# KiCad board 8.Layer.Receiver.Wrapped.kicad_pcb
title: 32 Channel Receiver Board; date: 2023-08-02; company: University of Texas at Arlington
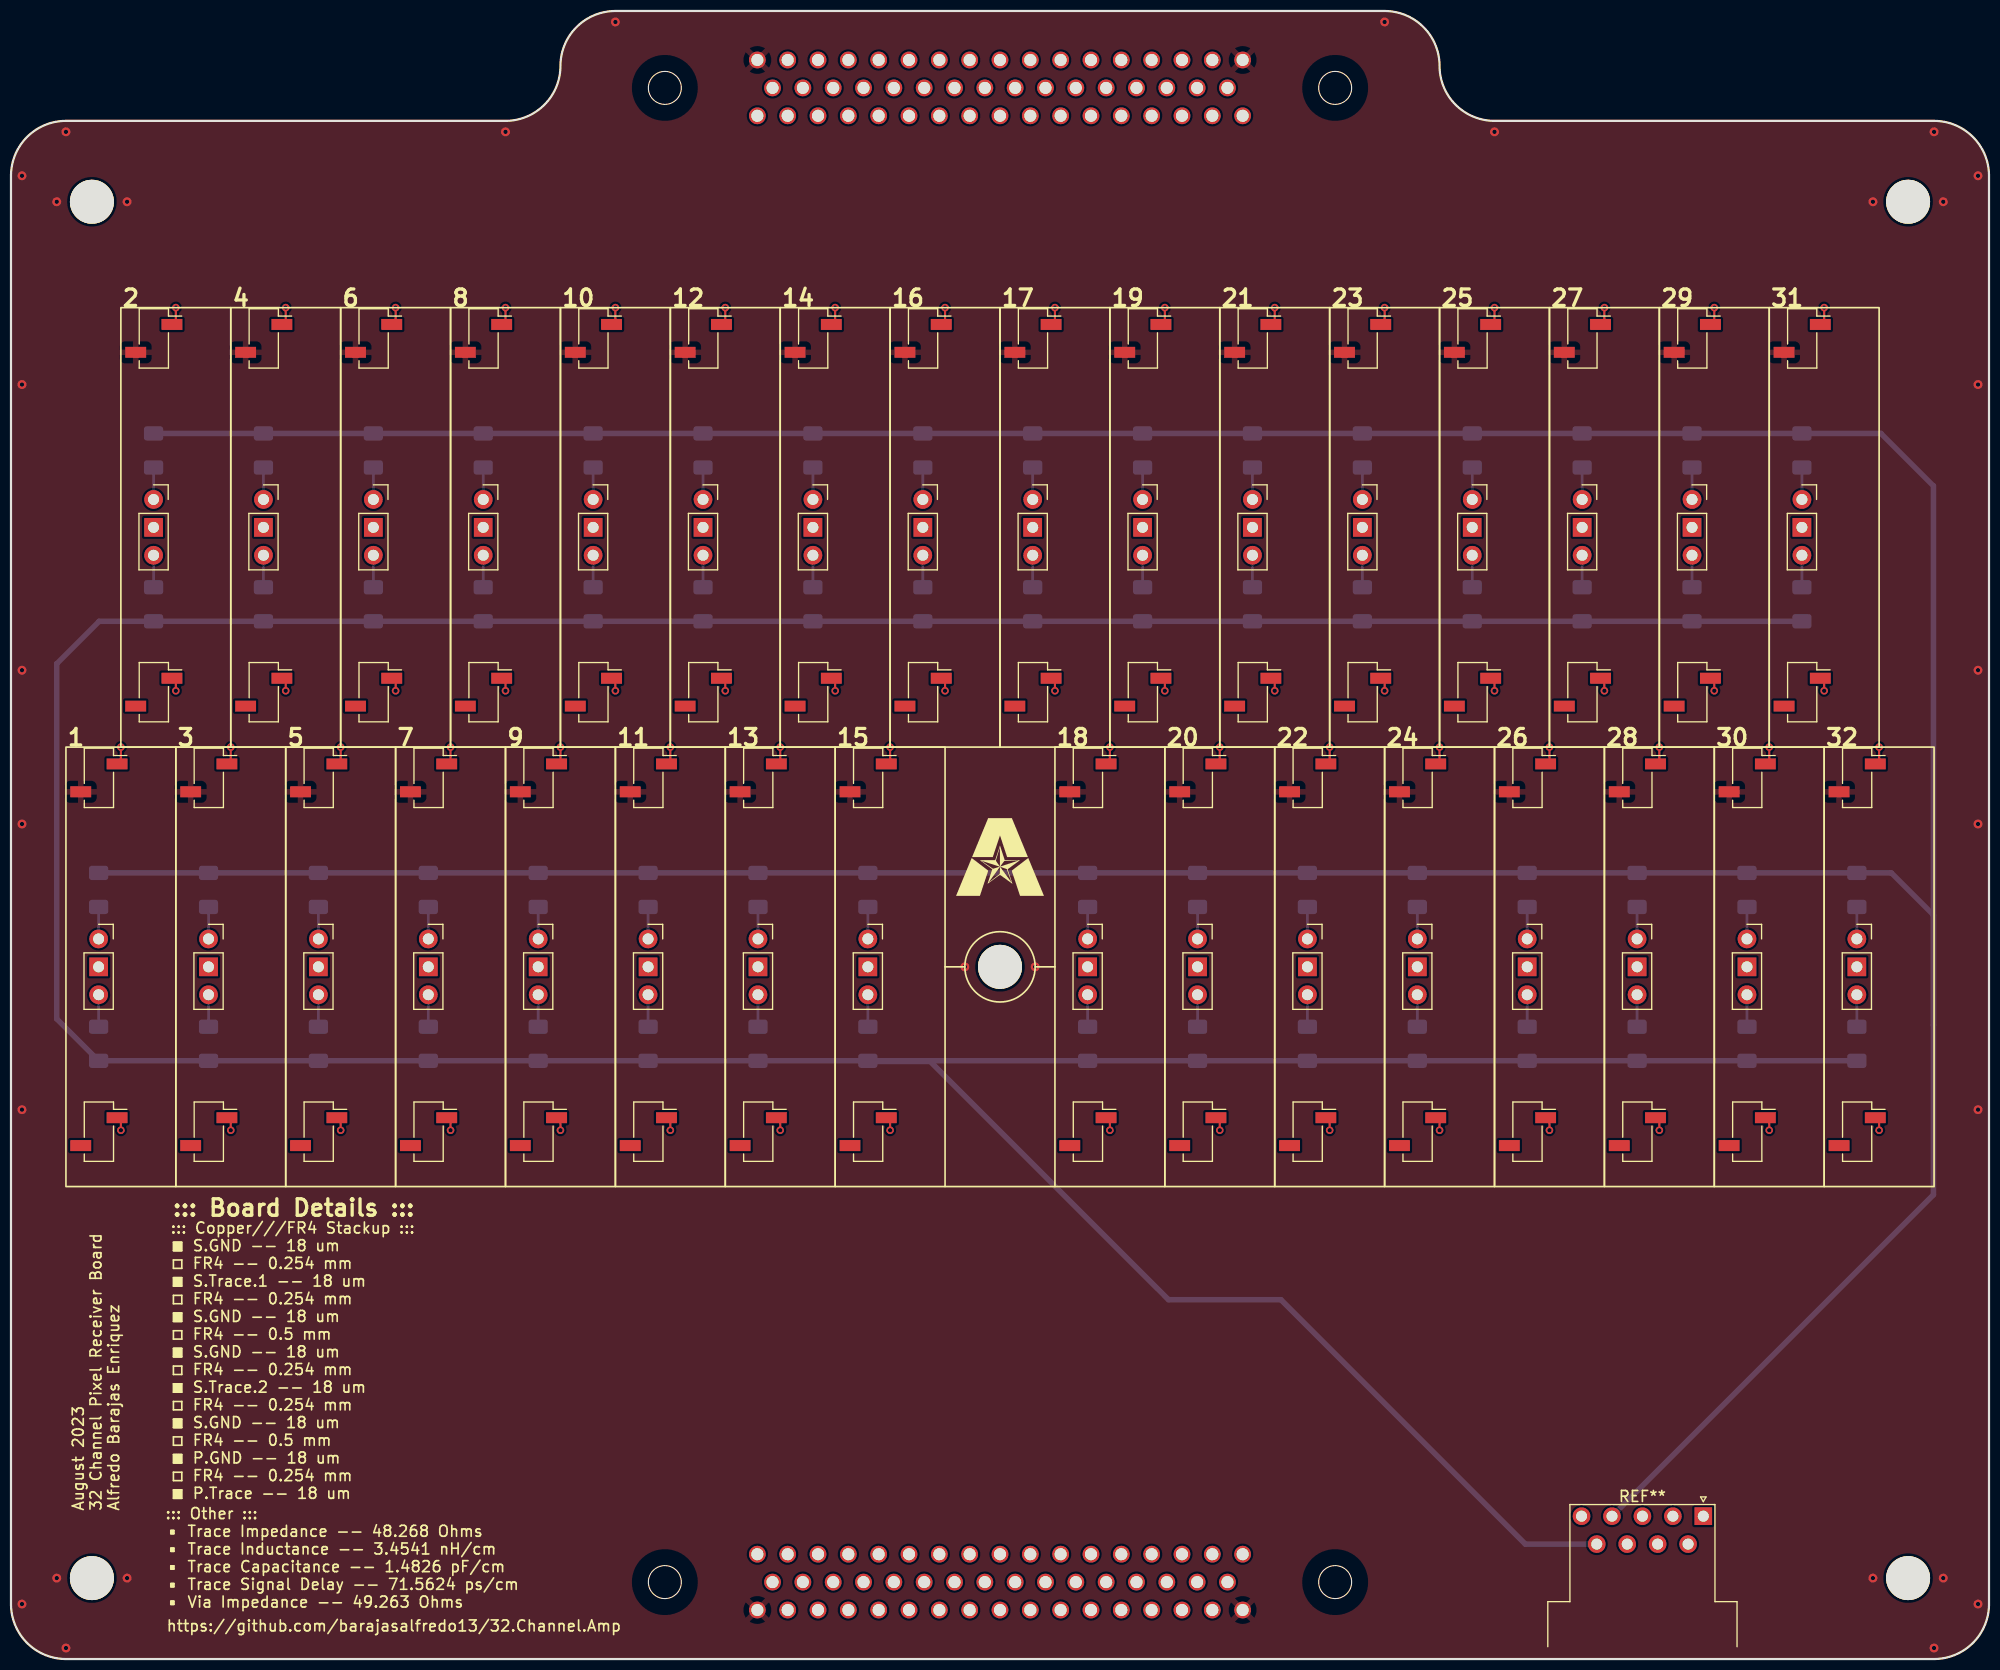
[diagram p0: board, top side]
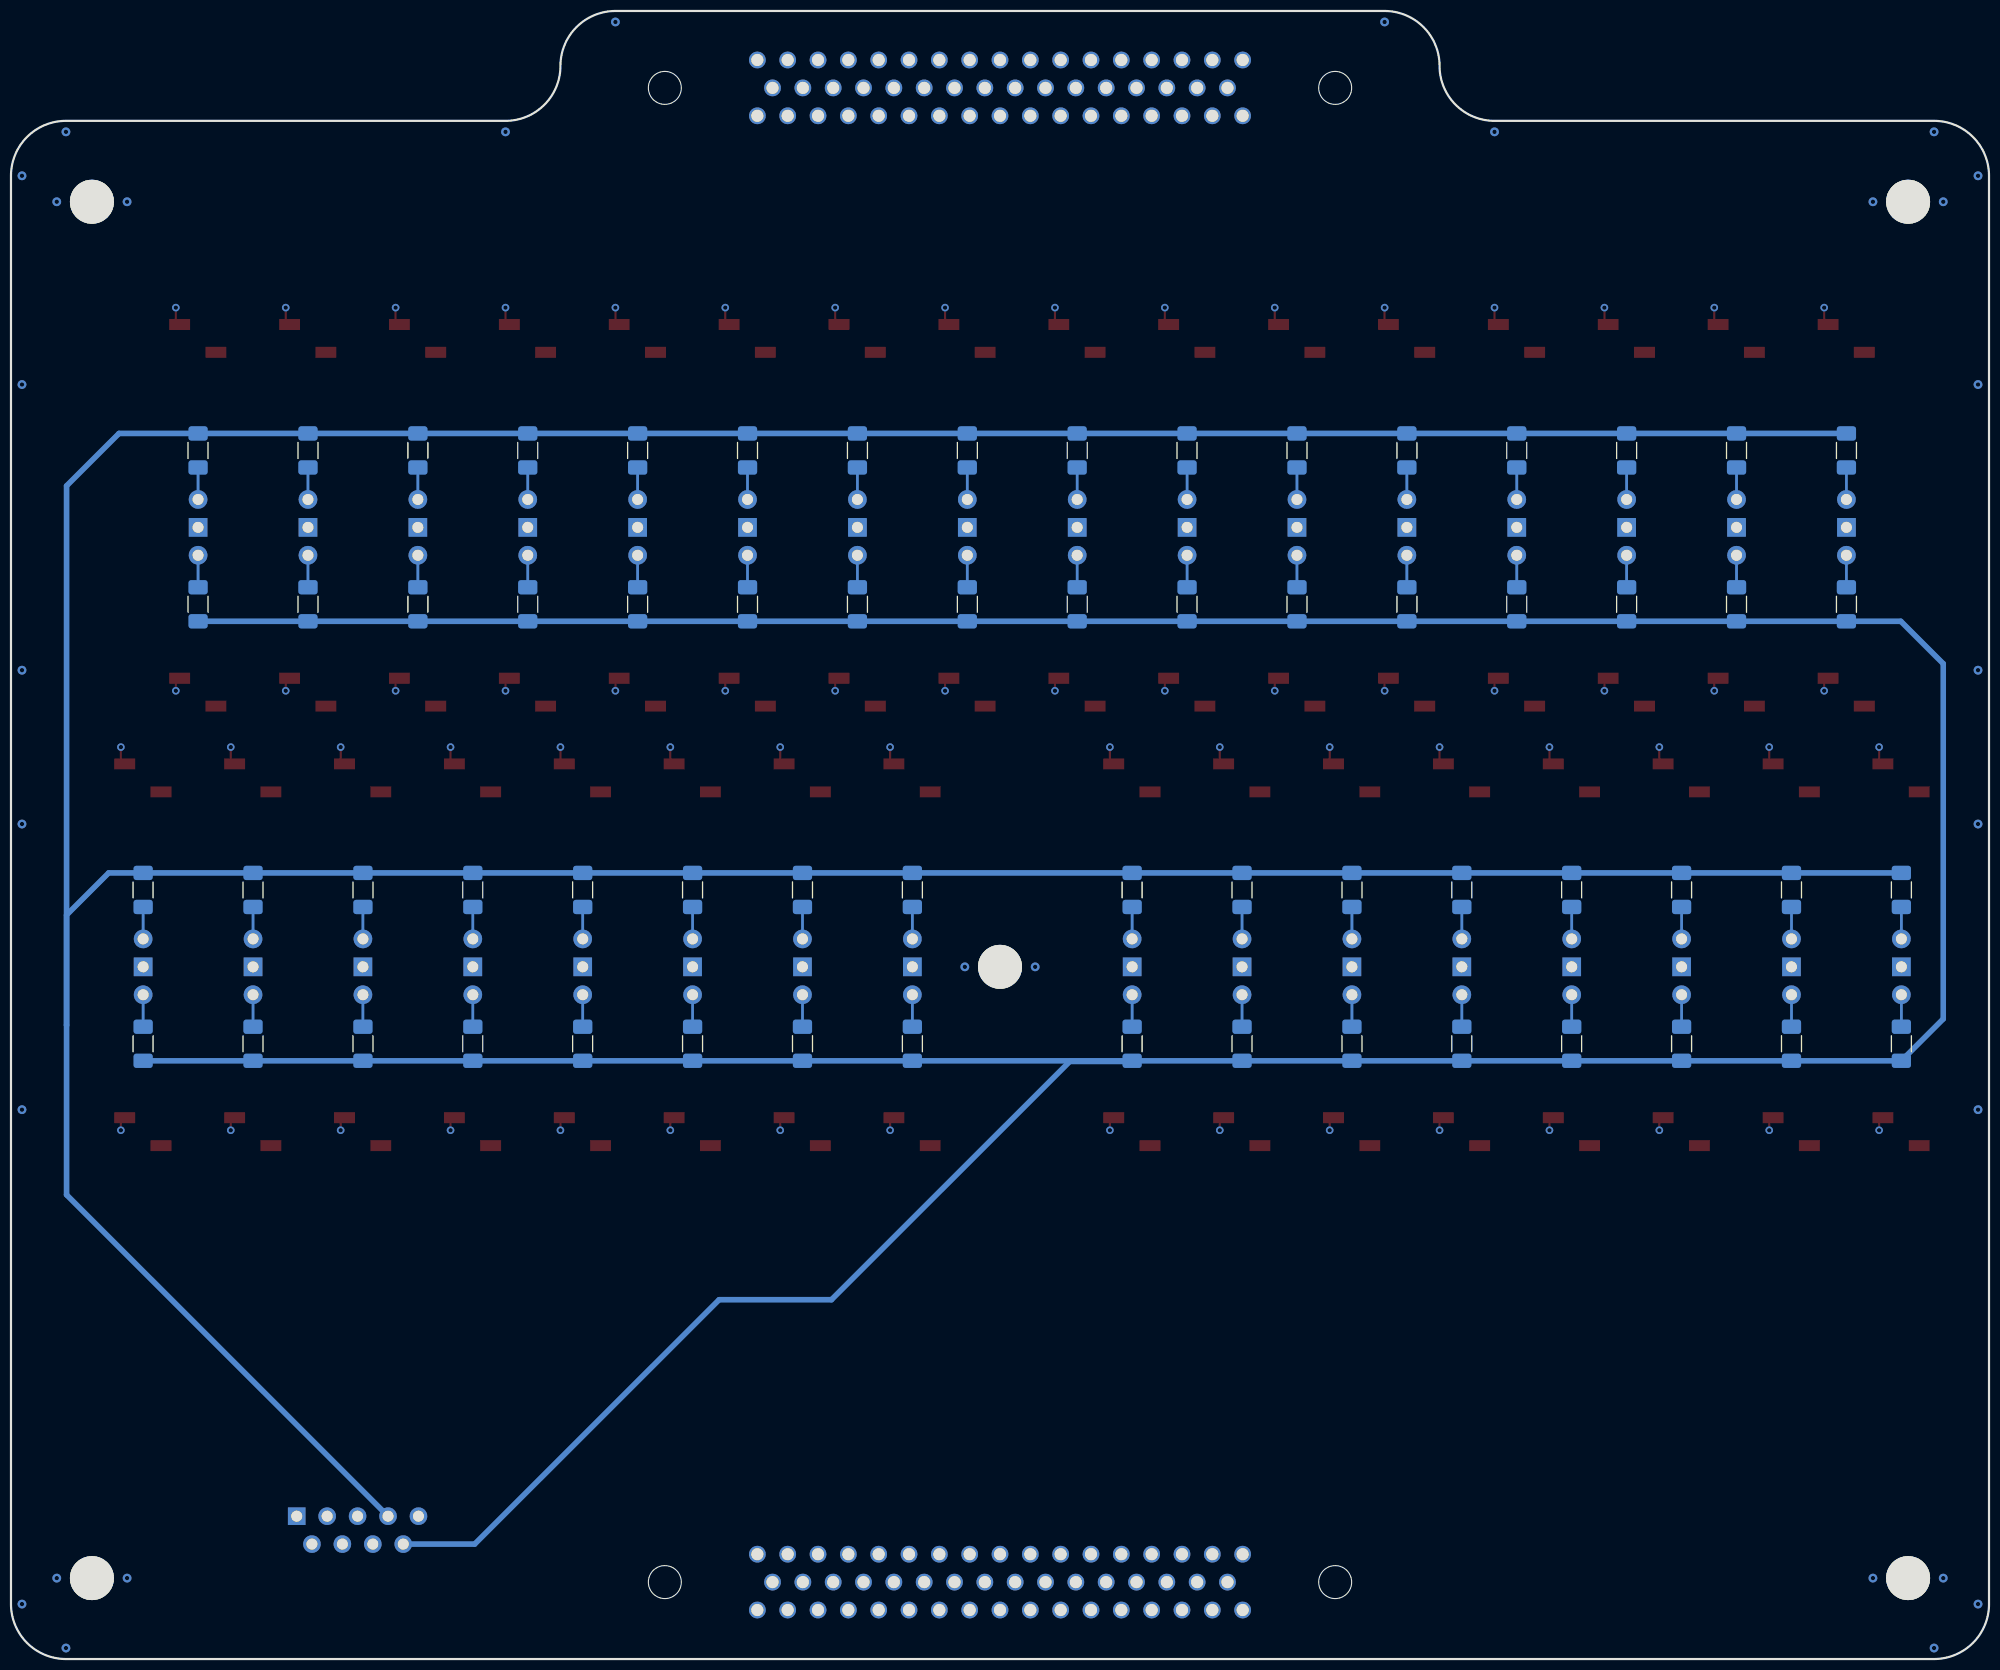
[diagram p1: board, bottom side, seen from below]

Outline 180 x 150 mm; copper layers: S.Ground.Layer.Cu.1, In.Out.Trace.Layer.Cu.2, S.Ground.Layer.Cu.3, S.Ground.Layer.Cu.4, In.Out.Trace.Layer.Cu.5, S.Ground.Layer.Cu.6, P.Ground.Layer.Cu.7, P.Trace.Layer.Cu.8. Coordinates in mm from the lower left corner of the outline.
Outline path: 131.46,141.46 135,140 175,140 178.54,138.54 180,135 180,5 178.54,1.46 175,0 5,0 1.46,1.46 0,5 0,135 1.46,138.54 5,140 45,140 48.54,141.46 51.46,148.54 55,150 125,150 128.54,148.54 closed
Stack: S.Ground.Layer.Cu.1 0.018mm / dielectric 0.254mm FR4 er 4.5 / In.Out.Trace.Layer.Cu.2 0.018mm / dielectric 0.254mm FR4 er 4.5 / S.Ground.Layer.Cu.3 0.018mm / dielectric 0.5mm FR4 er 4.5 / S.Ground.Layer.Cu.4 0.018mm / dielectric 0.254mm FR4 er 4.5 / In.Out.Trace.Layer.Cu.5 0.018mm / dielectric 0.254mm FR4 er 4.5 / S.Ground.Layer.Cu.6 0.018mm / dielectric 0.5mm FR4 er 4.5 / P.Ground.Layer.Cu.7 0.018mm / dielectric 0.254mm FR4 er 4.5 / P.Trace.Layer.Cu.8 0.018mm

## Placement (name value [footprint] x y rotation side)
G***  -  [LOGO]  90 73 0 top
REF**  -  [PinSocket_1x03_P2.54mm_Vertical]  12.98 105.54 0 top
REF**1  -  [PinSocket_1x02_P2.54mm_Vertical_SMD_Pin1Right]  8 48 0 top
REF**2  -  [R_1206_3216Metric_Pad1.30x1.75mm_HandSolder]  7.98 56 270 bottom
REF**3  -  [PinSocket_1x03_P2.54mm_Vertical]  7.98 65.54 0 top
REF**4  -  [R_1206_3216Metric_Pad1.30x1.75mm_HandSolder]  7.98 70 90 bottom
REF**5  -  [PinSocket_1x02_P2.54mm_Vertical_SMD_Pin1Right]  8 80.2 0 top
REF**6  -  [PinSocket_1x02_P2.54mm_Vertical_SMD_Pin1Right]  23 88 0 top
REF**7  -  [R_1206_3216Metric_Pad1.30x1.75mm_HandSolder]  22.98 96 270 bottom
REF**8  -  [PinSocket_1x03_P2.54mm_Vertical]  22.98 105.54 0 top
REF**9  -  [R_1206_3216Metric_Pad1.30x1.75mm_HandSolder]  22.98 110 90 bottom
REF**10  -  [PinSocket_1x02_P2.54mm_Vertical_SMD_Pin1Right]  23 120.2 0 top
REF**11  -  [PinSocket_1x02_P2.54mm_Vertical_SMD_Pin1Right]  18 48 0 top
REF**12  -  [R_1206_3216Metric_Pad1.30x1.75mm_HandSolder]  17.98 56 270 bottom
REF**13  -  [PinSocket_1x03_P2.54mm_Vertical]  17.98 65.54 0 top
REF**14  -  [R_1206_3216Metric_Pad1.30x1.75mm_HandSolder]  17.98 70 90 bottom
REF**15  -  [PinSocket_1x02_P2.54mm_Vertical_SMD_Pin1Right]  18 80.2 0 top
REF**16  -  [PinSocket_1x02_P2.54mm_Vertical_SMD_Pin1Right]  33 88 0 top
REF**17  -  [R_1206_3216Metric_Pad1.30x1.75mm_HandSolder]  32.98 96 270 bottom
REF**18  -  [PinSocket_1x03_P2.54mm_Vertical]  32.98 105.54 0 top
REF**19  -  [R_1206_3216Metric_Pad1.30x1.75mm_HandSolder]  32.98 110 90 bottom
REF**20  -  [PinSocket_1x02_P2.54mm_Vertical_SMD_Pin1Right]  33 120.2 0 top
REF**21  -  [PinSocket_1x02_P2.54mm_Vertical_SMD_Pin1Right]  28 48 0 top
REF**22  -  [R_1206_3216Metric_Pad1.30x1.75mm_HandSolder]  27.98 56 270 bottom
REF**23  -  [PinSocket_1x03_P2.54mm_Vertical]  27.98 65.54 0 top
REF**24  -  [R_1206_3216Metric_Pad1.30x1.75mm_HandSolder]  27.98 70 90 bottom
REF**25  -  [PinSocket_1x02_P2.54mm_Vertical_SMD_Pin1Right]  28 80.2 0 top
REF**26  -  [PinSocket_1x02_P2.54mm_Vertical_SMD_Pin1Right]  43 88 0 top
REF**27  -  [R_1206_3216Metric_Pad1.30x1.75mm_HandSolder]  42.97 96 270 bottom
REF**28  -  [PinSocket_1x03_P2.54mm_Vertical]  42.97 105.54 0 top
REF**29  -  [R_1206_3216Metric_Pad1.30x1.75mm_HandSolder]  42.97 110 90 bottom
REF**30  -  [PinSocket_1x02_P2.54mm_Vertical_SMD_Pin1Right]  43 120.2 0 top
REF**31  -  [PinSocket_1x02_P2.54mm_Vertical_SMD_Pin1Right]  38 48 0 top
REF**32  -  [R_1206_3216Metric_Pad1.30x1.75mm_HandSolder]  37.97 56 270 bottom
REF**33  -  [PinSocket_1x03_P2.54mm_Vertical]  37.97 65.54 0 top
REF**34  -  [R_1206_3216Metric_Pad1.30x1.75mm_HandSolder]  37.97 70 90 bottom
REF**35  -  [PinSocket_1x02_P2.54mm_Vertical_SMD_Pin1Right]  38 80.2 0 top
REF**36  -  [PinSocket_1x02_P2.54mm_Vertical_SMD_Pin1Right]  53 88 0 top
REF**37  -  [R_1206_3216Metric_Pad1.30x1.75mm_HandSolder]  52.97 96 270 bottom
REF**38  -  [PinSocket_1x03_P2.54mm_Vertical]  52.97 105.54 0 top
REF**39  -  [R_1206_3216Metric_Pad1.30x1.75mm_HandSolder]  52.97 110 90 bottom
REF**40  -  [PinSocket_1x02_P2.54mm_Vertical_SMD_Pin1Right]  53 120.2 0 top
REF**41  -  [PinSocket_1x02_P2.54mm_Vertical_SMD_Pin1Right]  48 48 0 top
REF**42  -  [R_1206_3216Metric_Pad1.30x1.75mm_HandSolder]  47.97 56 270 bottom
REF**43  -  [PinSocket_1x03_P2.54mm_Vertical]  47.97 65.54 0 top
REF**44  -  [R_1206_3216Metric_Pad1.30x1.75mm_HandSolder]  47.97 70 90 bottom
REF**45  -  [PinSocket_1x02_P2.54mm_Vertical_SMD_Pin1Right]  48 80.2 0 top
REF**46  -  [PinSocket_1x02_P2.54mm_Vertical_SMD_Pin1Right]  63 88 0 top
REF**47  -  [R_1206_3216Metric_Pad1.30x1.75mm_HandSolder]  62.97 96 270 bottom
REF**48  -  [PinSocket_1x03_P2.54mm_Vertical]  62.97 105.54 0 top
REF**49  -  [R_1206_3216Metric_Pad1.30x1.75mm_HandSolder]  62.97 110 90 bottom
REF**50  -  [PinSocket_1x02_P2.54mm_Vertical_SMD_Pin1Right]  63 120.2 0 top
REF**51  -  [PinSocket_1x02_P2.54mm_Vertical_SMD_Pin1Right]  58 48 0 top
REF**52  -  [R_1206_3216Metric_Pad1.30x1.75mm_HandSolder]  57.97 56 270 bottom
REF**53  -  [PinSocket_1x03_P2.54mm_Vertical]  57.97 65.54 0 top
REF**54  -  [R_1206_3216Metric_Pad1.30x1.75mm_HandSolder]  57.97 70 90 bottom
REF**55  -  [PinSocket_1x02_P2.54mm_Vertical_SMD_Pin1Right]  58 80.2 0 top
REF**56  -  [PinSocket_1x02_P2.54mm_Vertical_SMD_Pin1Right]  73 88 0 top
REF**57  -  [R_1206_3216Metric_Pad1.30x1.75mm_HandSolder]  72.97 96 270 bottom
REF**58  -  [PinSocket_1x03_P2.54mm_Vertical]  72.97 105.54 0 top
REF**59  -  [R_1206_3216Metric_Pad1.30x1.75mm_HandSolder]  72.97 110 90 bottom
REF**60  -  [PinSocket_1x02_P2.54mm_Vertical_SMD_Pin1Right]  73 120.2 0 top
REF**61  -  [PinSocket_1x02_P2.54mm_Vertical_SMD_Pin1Right]  68 48 0 top
REF**62  -  [R_1206_3216Metric_Pad1.30x1.75mm_HandSolder]  67.97 56 270 bottom
REF**63  -  [PinSocket_1x03_P2.54mm_Vertical]  67.97 65.54 0 top
REF**64  -  [R_1206_3216Metric_Pad1.30x1.75mm_HandSolder]  67.97 70 90 bottom
REF**65  -  [PinSocket_1x02_P2.54mm_Vertical_SMD_Pin1Right]  68 80.2 0 top
REF**66  -  [PinSocket_1x02_P2.54mm_Vertical_SMD_Pin1Right]  83 88 0 top
REF**67  -  [R_1206_3216Metric_Pad1.30x1.75mm_HandSolder]  82.97 96 270 bottom
REF**68  -  [PinSocket_1x03_P2.54mm_Vertical]  82.97 105.54 0 top
REF**69  -  [R_1206_3216Metric_Pad1.30x1.75mm_HandSolder]  82.97 110 90 bottom
REF**70  -  [PinSocket_1x02_P2.54mm_Vertical_SMD_Pin1Right]  83 120.2 0 top
REF**71  -  [PinSocket_1x02_P2.54mm_Vertical_SMD_Pin1Right]  78 48 0 top
REF**72  -  [R_1206_3216Metric_Pad1.30x1.75mm_HandSolder]  77.97 56 270 bottom
REF**73  -  [PinSocket_1x03_P2.54mm_Vertical]  77.97 65.54 0 top
REF**74  -  [R_1206_3216Metric_Pad1.30x1.75mm_HandSolder]  77.97 70 90 bottom
REF**75  -  [PinSocket_1x02_P2.54mm_Vertical_SMD_Pin1Right]  78 80.2 0 top
REF**76  -  [PinSocket_1x02_P2.54mm_Vertical_SMD_Pin1Right]  93 88 0 top
REF**77  -  [R_1206_3216Metric_Pad1.30x1.75mm_HandSolder]  92.97 96 270 bottom
REF**78  -  [PinSocket_1x03_P2.54mm_Vertical]  92.97 105.54 0 top
REF**79  -  [R_1206_3216Metric_Pad1.30x1.75mm_HandSolder]  92.97 110 90 bottom
REF**80  -  [PinSocket_1x02_P2.54mm_Vertical_SMD_Pin1Right]  93 120.2 0 top
REF**86  -  [PinSocket_1x02_P2.54mm_Vertical_SMD_Pin1Right]  103 88 0 top
REF**87  -  [R_1206_3216Metric_Pad1.30x1.75mm_HandSolder]  102.97 96 270 bottom
REF**88  -  [PinSocket_1x03_P2.54mm_Vertical]  102.97 105.54 0 top
REF**89  -  [R_1206_3216Metric_Pad1.30x1.75mm_HandSolder]  102.97 110 90 bottom
REF**90  -  [PinSocket_1x02_P2.54mm_Vertical_SMD_Pin1Right]  103 120.2 0 top
REF**91  -  [PinSocket_1x02_P2.54mm_Vertical_SMD_Pin1Right]  98 48 0 top
REF**92  -  [R_1206_3216Metric_Pad1.30x1.75mm_HandSolder]  97.97 56 270 bottom
REF**93  -  [PinSocket_1x03_P2.54mm_Vertical]  97.97 65.54 0 top
REF**94  -  [R_1206_3216Metric_Pad1.30x1.75mm_HandSolder]  97.97 70 90 bottom
REF**95  -  [PinSocket_1x02_P2.54mm_Vertical_SMD_Pin1Right]  98 80.2 0 top
REF**96  -  [PinSocket_1x02_P2.54mm_Vertical_SMD_Pin1Right]  113 88 0 top
REF**97  -  [R_1206_3216Metric_Pad1.30x1.75mm_HandSolder]  112.97 96 270 bottom
REF**98  -  [PinSocket_1x03_P2.54mm_Vertical]  112.97 105.54 0 top
REF**99  -  [R_1206_3216Metric_Pad1.30x1.75mm_HandSolder]  112.97 110 90 bottom
REF**100  -  [PinSocket_1x02_P2.54mm_Vertical_SMD_Pin1Right]  113 120.2 0 top
REF**101  -  [PinSocket_1x02_P2.54mm_Vertical_SMD_Pin1Right]  108 48 0 top
REF**102  -  [R_1206_3216Metric_Pad1.30x1.75mm_HandSolder]  107.97 56 270 bottom
REF**103  -  [PinSocket_1x03_P2.54mm_Vertical]  107.97 65.54 0 top
REF**104  -  [R_1206_3216Metric_Pad1.30x1.75mm_HandSolder]  107.97 70 90 bottom
REF**105  -  [PinSocket_1x02_P2.54mm_Vertical_SMD_Pin1Right]  108 80.2 0 top
REF**106  -  [PinSocket_1x02_P2.54mm_Vertical_SMD_Pin1Right]  123 88 0 top
REF**107  -  [R_1206_3216Metric_Pad1.30x1.75mm_HandSolder]  122.97 96 270 bottom
REF**108  -  [PinSocket_1x03_P2.54mm_Vertical]  122.97 105.54 0 top
REF**109  -  [R_1206_3216Metric_Pad1.30x1.75mm_HandSolder]  122.97 110 90 bottom
REF**110  -  [PinSocket_1x02_P2.54mm_Vertical_SMD_Pin1Right]  123 120.2 0 top
REF**111  -  [PinSocket_1x02_P2.54mm_Vertical_SMD_Pin1Right]  118 48 0 top
REF**112  -  [R_1206_3216Metric_Pad1.30x1.75mm_HandSolder]  117.97 56 270 bottom
REF**113  -  [PinSocket_1x03_P2.54mm_Vertical]  117.97 65.54 0 top
REF**114  -  [R_1206_3216Metric_Pad1.30x1.75mm_HandSolder]  117.97 70 90 bottom
REF**115  -  [PinSocket_1x02_P2.54mm_Vertical_SMD_Pin1Right]  118 80.2 0 top
REF**116  -  [PinSocket_1x02_P2.54mm_Vertical_SMD_Pin1Right]  133 88 0 top
REF**117  -  [R_1206_3216Metric_Pad1.30x1.75mm_HandSolder]  132.97 96 270 bottom
REF**118  -  [PinSocket_1x03_P2.54mm_Vertical]  132.97 105.54 0 top
REF**119  -  [R_1206_3216Metric_Pad1.30x1.75mm_HandSolder]  132.97 110 90 bottom
REF**120  -  [PinSocket_1x02_P2.54mm_Vertical_SMD_Pin1Right]  133 120.2 0 top
REF**121  -  [PinSocket_1x02_P2.54mm_Vertical_SMD_Pin1Right]  128 48 0 top
REF**122  -  [R_1206_3216Metric_Pad1.30x1.75mm_HandSolder]  127.97 56 270 bottom
REF**123  -  [PinSocket_1x03_P2.54mm_Vertical]  127.97 65.54 0 top
REF**124  -  [R_1206_3216Metric_Pad1.30x1.75mm_HandSolder]  127.97 70 90 bottom
REF**125  -  [PinSocket_1x02_P2.54mm_Vertical_SMD_Pin1Right]  128 80.2 0 top
REF**126  -  [PinSocket_1x02_P2.54mm_Vertical_SMD_Pin1Right]  143 88 0 top
REF**127  -  [R_1206_3216Metric_Pad1.30x1.75mm_HandSolder]  142.97 96 270 bottom
REF**128  -  [PinSocket_1x03_P2.54mm_Vertical]  142.97 105.54 0 top
REF**129  -  [R_1206_3216Metric_Pad1.30x1.75mm_HandSolder]  142.97 110 90 bottom
REF**130  -  [PinSocket_1x02_P2.54mm_Vertical_SMD_Pin1Right]  143 120.2 0 top
REF**131  -  [PinSocket_1x02_P2.54mm_Vertical_SMD_Pin1Right]  138 48 0 top
REF**132  -  [R_1206_3216Metric_Pad1.30x1.75mm_HandSolder]  137.97 56 270 bottom
REF**133  -  [PinSocket_1x03_P2.54mm_Vertical]  137.97 65.54 0 top
REF**134  -  [R_1206_3216Metric_Pad1.30x1.75mm_HandSolder]  137.97 70 90 bottom
REF**135  -  [PinSocket_1x02_P2.54mm_Vertical_SMD_Pin1Right]  138 80.2 0 top
REF**136  -  [PinSocket_1x02_P2.54mm_Vertical_SMD_Pin1Right]  153 88 0 top
REF**137  -  [R_1206_3216Metric_Pad1.30x1.75mm_HandSolder]  152.97 96 270 bottom
REF**138  -  [PinSocket_1x03_P2.54mm_Vertical]  152.97 105.54 0 top
REF**139  -  [R_1206_3216Metric_Pad1.30x1.75mm_HandSolder]  152.97 110 90 bottom
REF**140  -  [PinSocket_1x02_P2.54mm_Vertical_SMD_Pin1Right]  153 120.2 0 top
REF**141  -  [PinSocket_1x02_P2.54mm_Vertical_SMD_Pin1Right]  148 48 0 top
REF**142  -  [R_1206_3216Metric_Pad1.30x1.75mm_HandSolder]  147.97 56 270 bottom
REF**143  -  [PinSocket_1x03_P2.54mm_Vertical]  147.97 65.54 0 top
REF**144  -  [R_1206_3216Metric_Pad1.30x1.75mm_HandSolder]  147.97 70 90 bottom
REF**145  -  [PinSocket_1x02_P2.54mm_Vertical_SMD_Pin1Right]  148 80.2 0 top
REF**146  -  [PinSocket_1x02_P2.54mm_Vertical_SMD_Pin1Right]  163 88 0 top
REF**147  -  [R_1206_3216Metric_Pad1.30x1.75mm_HandSolder]  162.97 96 270 bottom
REF**148  -  [PinSocket_1x03_P2.54mm_Vertical]  162.97 105.54 0 top
REF**149  -  [R_1206_3216Metric_Pad1.30x1.75mm_HandSolder]  162.97 110 90 bottom
REF**150  -  [PinSocket_1x02_P2.54mm_Vertical_SMD_Pin1Right]  163 120.2 0 top
REF**151  -  [PinSocket_1x02_P2.54mm_Vertical_SMD_Pin1Right]  158 48 0 top
REF**152  -  [R_1206_3216Metric_Pad1.30x1.75mm_HandSolder]  157.97 56 270 bottom
REF**153  -  [PinSocket_1x03_P2.54mm_Vertical]  157.97 65.54 0 top
REF**154  -  [R_1206_3216Metric_Pad1.30x1.75mm_HandSolder]  157.97 70 90 bottom
REF**155  -  [PinSocket_1x02_P2.54mm_Vertical_SMD_Pin1Right]  158 80.2 0 top
REF**161  -  [PinSocket_1x02_P2.54mm_Vertical_SMD_Pin1Right]  168 48 0 top
REF**162  -  [R_1206_3216Metric_Pad1.30x1.75mm_HandSolder]  167.97 56 270 bottom
REF**163  -  [PinSocket_1x03_P2.54mm_Vertical]  167.97 65.54 0 top
REF**164  -  [R_1206_3216Metric_Pad1.30x1.75mm_HandSolder]  167.97 70 90 bottom
REF**165  -  [PinSocket_1x02_P2.54mm_Vertical_SMD_Pin1Right]  168 80.2 0 top
REF**#2  -  [MountingHole_4mm]  7.36 132.64 0 top
REF**#3  -  [MountingHole_4mm]  90 63 0 top
REF**#4  -  [CONN D-SUB PLUG 50POS RA SLDR]  90 143 0 top
REF**#5  -  [PinSocket_1x02_P2.54mm_Vertical_SMD_Pin1Right]  13 120.2 0 top
REF**#6  -  [DSUB-9_Female_Horizontal_P2.77x2.54mm_EdgePinOffset9.40mm]  154 13 0 top
REF**#7  -  [PinSocket_1x02_P2.54mm_Vertical_SMD_Pin1Right]  13 88 0 top
REF**#8  -  [CONN D-SUB PLUG 50POS RA SLDR]  90 7 180 top
REF**#9  -  [MountingHole_4mm]  172.64 7.36 180 bottom
REF**#10  -  [MountingHole_4mm]  7.36 7.36 0 bottom
REF**#11  -  [R_1206_3216Metric_Pad1.30x1.75mm_HandSolder]  12.98 110 90 bottom
REF**#12  -  [MountingHole_4mm]  172.64 132.64 180 bottom
REF**#13  -  [R_1206_3216Metric_Pad1.30x1.75mm_HandSolder]  12.98 96 270 bottom

## Footprints (pads in the part's own frame, mm; a bottom-side part is the same pattern mirrored in y, then rotated)
CONN D-SUB PLUG 50POS RA SLDR
  round 1.524 hole 1.1: 1(-22.08,2.54) 2(-19.32,2.54) 3(-16.56,2.54) 4(-13.8,2.54) 5(-11.04,2.54) 6(-8.28,2.54) 7(-5.52,2.54) 8(-2.76,2.54) 9(0,2.54) 10(2.76,2.54) 11(5.52,2.54) 12(8.28,2.54) 13(11.04,2.54) 14(13.8,2.54) 15(16.56,2.54) 16(19.32,2.54) 17(22.08,2.54) 18(-20.7,0) 19(-17.94,0) 20(-15.18,0) 21(-12.42,0) 22(-9.66,0) 23(-6.9,0) 24(-4.14,0) 25(-1.38,0) 26(1.38,0) 27(4.14,0) 28(6.9,0) 29(9.66,0) 30(12.42,0) 31(15.18,0) 32(17.94,0) 33(20.7,0) 34(-22.08,-2.54) 35(-19.32,-2.54) 36(-16.56,-2.54) 37(-13.8,-2.54) 38(-11.04,-2.54) 39(-8.28,-2.54) 40(-5.52,-2.54) 41(-2.76,-2.54) 42(0,-2.54) 43(2.76,-2.54) 44(5.52,-2.54) 45(8.28,-2.54) 46(11.04,-2.54) 47(13.8,-2.54) 48(16.56,-2.54) 49(19.32,-2.54) 50(22.08,-2.54)
DSUB-9_Female_Horizontal_P2.77x2.54mm_EdgePinOffset9.40mm
  rect 1.6x1.6 hole 1: 1(0,0)
  round 1.6 hole 1: 2(-2.77,0) 3(-5.54,0) 4(-8.31,0) 5(-11.08,0) 6(-1.385,-2.54) 7(-4.155,-2.54) 8(-6.925,-2.54) 9(-9.695,-2.54)
MountingHole_4mm
  round 4 hole 4 unplated: (0,0)
PinSocket_1x02_P2.54mm_Vertical_SMD_Pin1Right
  rect 1.9x1 smd: 1(1.65,1.27) 2(-1.65,-1.27)
PinSocket_1x03_P2.54mm_Vertical
  round 1.7 hole 1: 1(0,0)
  rect 1.7x1.7 hole 1: 2(0,-2.54)
  oval 1.7x1.7 hole 1: 3(0,-5.08)
R_1206_3216Metric_Pad1.30x1.75mm_HandSolder
  rrect 1.3x1.75 smd: 1(-1.55,0) 2(1.55,0)

## Nets
+12: REF**4.2 REF**9.2 REF**14.2 REF**19.2 REF**24.2 REF**29.2 REF**34.2 REF**39.2 REF**44.2 REF**49.2 REF**54.2 REF**59.2 REF**64.2 REF**69.2 REF**74.2 REF**79.2 REF**89.2 REF**94.2 REF**99.2 REF**104.2 REF**109.2 REF**114.2 REF**119.2 REF**124.2 REF**129.2 REF**134.2 REF**139.2 REF**144.2 REF**149.2 REF**154.2 REF**164.2 REF**#6.4 REF**#11.2
-12: REF**2.2 REF**7.2 REF**12.2 REF**17.2 REF**22.2 REF**27.2 REF**32.2 REF**37.2 REF**42.2 REF**47.2 REF**52.2 REF**57.2 REF**62.2 REF**67.2 REF**72.2 REF**77.2 REF**87.2 REF**92.2 REF**97.2 REF**102.2 REF**107.2 REF**112.2 REF**117.2 REF**122.2 REF**127.2 REF**132.2 REF**137.2 REF**142.2 REF**147.2 REF**152.2 REF**162.2 REF**#6.9 REF**#13.2
P.Neg: REF**.3 REF**2.1 REF**3.3 REF**7.1 REF**8.3 REF**12.1 REF**13.3 REF**17.1 REF**18.3 REF**22.1 REF**23.3 REF**27.1 REF**28.3 REF**32.1 REF**33.3 REF**37.1 REF**38.3 REF**42.1 REF**43.3 REF**47.1 REF**48.3 REF**52.1 REF**53.3 REF**57.1 REF**58.3 REF**62.1 REF**63.3 REF**67.1 REF**68.3 REF**72.1 REF**73.3 REF**77.1 REF**78.3 REF**87.1 REF**88.3 REF**92.1 REF**93.3 REF**97.1 REF**98.3 REF**102.1 REF**103.3 REF**107.1 REF**108.3 REF**112.1 REF**113.3 REF**117.1 REF**118.3 REF**122.1 REF**123.3 REF**127.1 REF**128.3 REF**132.1 REF**133.3 REF**137.1 REF**138.3 REF**142.1 REF**143.3 REF**147.1 REF**148.3 REF**152.1 REF**153.3 REF**162.1 REF**163.3 REF**#13.1
P.Pos: REF**.1 REF**3.1 REF**4.1 REF**8.1 REF**9.1 REF**13.1 REF**14.1 REF**18.1 REF**19.1 REF**23.1 REF**24.1 REF**28.1 REF**29.1 REF**33.1 REF**34.1 REF**38.1 REF**39.1 REF**43.1 REF**44.1 REF**48.1 REF**49.1 REF**53.1 REF**54.1 REF**58.1 REF**59.1 REF**63.1 REF**64.1 REF**68.1 REF**69.1 REF**73.1 REF**74.1 REF**78.1 REF**79.1 REF**88.1 REF**89.1 REF**93.1 REF**94.1 REF**98.1 REF**99.1 REF**103.1 REF**104.1 REF**108.1 REF**109.1 REF**113.1 REF**114.1 REF**118.1 REF**119.1 REF**123.1 REF**124.1 REF**128.1 REF**129.1 REF**133.1 REF**134.1 REF**138.1 REF**139.1 REF**143.1 REF**144.1 REF**148.1 REF**149.1 REF**153.1 REF**154.1 REF**163.1 REF**164.1 REF**#11.1
Power.Ground: REF**.2 REF**3.2 REF**8.2 REF**13.2 REF**18.2 REF**23.2 REF**28.2 REF**33.2 REF**38.2 REF**43.2 REF**48.2 REF**53.2 REF**58.2 REF**63.2 REF**68.2 REF**73.2 REF**78.2 REF**88.2 REF**93.2 REF**98.2 REF**103.2 REF**108.2 REF**113.2 REF**118.2 REF**123.2 REF**128.2 REF**133.2 REF**138.2 REF**143.2 REF**148.2 REF**153.2 REF**163.2 REF**#6.1
Signal.Ground: REF**5.2 REF**10.2 REF**15.2 REF**20.2 REF**25.2 REF**30.2 REF**35.2 REF**40.2 REF**45.2 REF**50.2 REF**55.2 REF**60.2 REF**65.2 REF**70.2 REF**75.2 REF**80.2 REF**90.2 REF**95.2 REF**100.2 REF**105.2 REF**110.2 REF**115.2 REF**120.2 REF**125.2 REF**130.2 REF**135.2 REF**140.2 REF**145.2 REF**150.2 REF**155.2 REF**165.2 REF**#4.1 REF**#4.17 REF**#5.2 REF**#8.1 REF**#8.17

Pads without a net: REF**1 1 2; REF**5 1; REF**6 1 2; REF**10 1; REF**11 1 2; REF**15 1; REF**16 1 2; REF**20 1; REF**21 1 2; REF**25 1; REF**26 1 2; REF**30 1; REF**31 1 2; REF**35 1; REF**36 1 2; REF**40 1; REF**41 1 2; REF**45 1; REF**46 1 2; REF**50 1; REF**51 1 2; REF**55 1; REF**56 1 2; REF**60 1; REF**61 1 2; REF**65 1; REF**66 1 2; REF**70 1; REF**71 1 2; REF**75 1; REF**76 1 2; REF**80 1; REF**86 1 2; REF**90 1; REF**91 1 2; REF**95 1; REF**96 1 2; REF**100 1; REF**101 1 2; REF**105 1; REF**106 1 2; REF**110 1; REF**111 1 2; REF**115 1; REF**116 1 2; REF**120 1; REF**121 1 2; REF**125 1; REF**126 1 2; REF**130 1; REF**131 1 2; REF**135 1; REF**136 1 2; REF**140 1; REF**141 1 2; REF**145 1; REF**146 1 2; REF**150 1; REF**151 1 2; REF**155 1; REF**161 1 2; REF**165 1; REF**#4 2 3 4 5 6 7 8 9 10 11 12 13 14 15 16 18 19 20 21 22 23 24 25 26 27 28 29 30 31 32 33 34 35 36 37 38 39 40 41 42 43 44 45 46 47 48 49 50; REF**#5 1; REF**#6 2 3 5 6 7 8; REF**#7 1 2; REF**#8 2 3 4 5 6 7 8 9 10 11 12 13 14 15 16 18 19 20 21 22 23 24 25 26 27 28 29 30 31 32 33 34 35 36 37 38 39 40 41 42 43 44 45 46 47 48 49 50

## Via types
v1: diameter 0.69, hole 0.4, S.Ground.Layer.Cu.1 to P.Trace.Layer.Cu.8, 64 vias
v2: diameter 0.8, hole 0.4, S.Ground.Layer.Cu.1 to P.Trace.Layer.Cu.8, 30 vias

## Routing (per net, layer and track width the routed paths; a pad name or vN(x,y) marks a point on that pad's centre or on a via; arc(x,y) is an arc through that point)
(no net): length 2388.1
  S.Ground.Layer.Cu.1 w0.19: v1(95,123) 95,121.82 ; v1(60,48.13) 60,48.92 ; v1(140,83) 140,81.82 ; v1(35,88.13) 35,88.92 ; v1(65,88.13) 65,88.92 ; v1(85,88.13) 85,88.92 ; v1(165,88.13) 165,88.92 ; v1(170,48.13) 170,48.92 ; v1(115,123) 115,121.82 ; v1(75,123) 75,121.82 ; v1(115,88.13) 115,88.92 ; v1(145,123) 145,121.82 ; v1(140,48.13) 140,48.92 ; v1(25,88.13) 25,88.92 ; v1(100,83) 100,81.82 ; v1(45,88.13) 45,88.92 ; v1(130,83) 130,81.82 ; v1(35,123) 35,121.82 ; v1(15,123) 15,121.82 ; v1(100,48.13) 100,48.92 ; v1(150,48.13) 150,48.92 ; v1(120,83) 120,81.82 ; v1(65,123) 65,121.82 ; v1(105,88.13) 105,88.92 ; v1(70,83) 70,81.82 ; v1(170,83) 170,81.82 ; v1(40,83) 40,81.82 ; v1(85,123) 85,121.82 ; v1(45,123) 45,121.82 ; v1(25,123) 25,121.82 ; v1(15,88.13) 15,88.92 REF**#7.1 ; v1(50,48.13) 50,48.92 ; v1(160,48.13) 160,48.92 ; v1(125,123) 125,121.82 ; v1(130,48.13) 130,48.92 ; v1(110,83) 110,81.82 ; v1(30,83) 30,81.82 ; v1(160,83) 160,81.82 ; v1(105,123) 105,121.82 ; v1(125,88.13) 125,88.92 ; v1(95,88.13) 95,88.92 ; v1(110,48.13) 110,48.92 ; v1(145,88.13) 145,88.92 ; v1(120,48.13) 120,48.92 ; v1(165,123) 165,121.82 ; v1(20,48.13) 20,48.92 ; v1(10,48.13) 10,48.92 ; v1(40,48.13) 40,48.92 ; v1(135,88.13) 135,88.92 ; v1(20,83) 20,81.82 ; v1(10,83) 10,81.82 ; v1(155,88.13) 155,88.92 ; v1(80,48.13) 80,48.92 ; v1(50,83) 50,81.82 ; v1(155,123) 155,121.82 ; v1(75,88.13) 75,88.92 ; v1(70,48.13) 70,48.92 ; v1(55,123) 55,121.82 ; v1(135,123) 135,121.82 ; v1(30,48.13) 30,48.92 ; v1(80,83) 80,81.82 ; v1(60,83) 60,81.82 ; v1(55,88.13) 55,88.92 ; v1(150,83) 150,81.82
  S.Ground.Layer.Cu.1 w0.25: 15,121.82 REF**#5.1
  In.Out.Trace.Layer.Cu.2 w0.19: REF**#8.40 95.52,18.51 110,32.99 v1(110,48.13) ; REF**#8.39 98.28,17.25 120,38.97 v1(120,48.13) ; REF**#8.45 81.72,17.23 60,38.95 v1(60,48.13) ; REF**#8.46 78.96,15.96 59.17,35.75 55.98,35.75 50,41.73 v1(50,48.13) ; v1(20,48.13) 20,41.7 35.33,26.37 56.56,26.37 70.68,12.25 REF**#8.49 ; REF**#8.34 112.08,11.08 124.36,23.36 151.57,23.36 170,41.79 v1(170,48.13) ; v1(10,48.13) 10.01,48.12 10.01,41.75 28.53,23.22 55.7,23.22 67.92,11 REF**#8.50 ; REF**#8.36 106.56,13.55 122.64,29.64 137.88,29.64 150,41.75 v1(150,48.13) ; REF**#8.41 92.76,19.8 100,27.04 v1(100,48.13) ; REF**#8.48 73.44,13.48 57.41,29.51 42.15,29.51 30,41.67 v1(30,48.13) ; REF**#8.38 101.04,15.94 120.9,35.8 124,35.8 130,41.8 v1(130,48.13) ; REF**#8.35 109.32,12.3 123.46,26.45 144.69,26.45 160,41.75 v1(160,48.13) ; v1(80,48.13) 80,26.9 87.24,19.66 REF**#8.43 ; REF**#8.44 84.48,18.46 70,32.94 v1(70,48.13) ; REF**#8.47 76.2,14.74 58.31,32.63 48.96,32.63 40,41.59 v1(40,48.13) ; REF**#8.37 103.8,14.9 121.59,32.69 130.95,32.69 140,41.75 v1(140,48.13)
  In.Out.Trace.Layer.Cu.5 w0.19: 45,89.22 45.01,89.22 45.01,41.56 52.42,34.14 58.75,34.14 77.58,15.31 REF**#8.30 ; REF**#8.28 83.1,17.86 65,35.96 65,89.22 ; v1(165,88.13) 165.01,88.12 165.01,41.68 148.12,24.79 123.92,24.79 110.7,11.58 REF**#8.18 ; v1(155,88.13) 155,41.74 141.29,28.03 123.16,28.03 107.94,12.82 REF**#8.19 ; REF**#8.32 72.06,12.87 56.99,27.95 38.77,27.95 25,41.72 v1(25,88.13) ; REF**#8.24 94.14,19.12 105.01,29.98 105.01,88.12 v1(105,88.13) ; 35,89.22 35,41.7 45.69,31.01 57.9,31.01 74.82,14.09 REF**#8.31 ; 115,89.22 115.01,89.22 ; v1(115,88.13) 115,36.06 96.9,17.96 REF**#8.23 ; REF**#8.27 85.86,19.06 75,29.92 75,89.22 ; 95,89.22 95.01,89.22 ; v1(145,88.13) 145.01,88.12 145.01,41.85 134.37,31.21 122.35,31.21 105.18,14.04 REF**#8.20 ; REF**#8.22 99.66,16.39 125,41.73 v1(125,88.13) ; REF**#8.29 80.34,16.56 55,41.9 55,89.22 ; REF**#8.33 69.3,11.6 56.03,24.88 31.81,24.88 15,41.69 v1(15,88.13) ; v1(135,88.13) 135,41.68 127.51,34.19 121.36,34.19 102.42,15.25 REF**#8.21 ; 105,89.22 105.01,89.22
+12: length 448.4
  P.Trace.Layer.Cu.8 w0.5: REF**#6.4 174.94,42.25 174.94,57.68 ; 174.94,57.68 174.94,106.77 170.17,111.55 REF**149.2 REF**#11.2 ; 174.94,57.68 174.94,67.72 171.11,71.55 REF**164.2 REF**4.2
-12: length 442.7
  P.Trace.Layer.Cu.8 w0.2: REF**72.2 77.97,54.39
  P.Trace.Layer.Cu.8 w0.5: REF**147.2 REF**#13.2 8.02,94.45 4.16,90.59 4.16,58.26 REF**2.2 REF**162.2 ; 77.97,54.39 83.65,54.39 105.34,32.7 115.56,32.7 137.8,10.46 REF**#6.9
P.Neg: length 93.2
  P.Trace.Layer.Cu.8 w0.25: REF**92.1 REF**93.3 ; REF**137.1 REF**138.3 ; REF**97.1 REF**98.3 ; REF**112.1 REF**113.3 ; REF**102.1 REF**103.3 ; REF**2.1 REF**3.3 ; REF**#13.1 REF**.3 ; REF**7.1 REF**8.3 ; REF**67.1 REF**68.3 ; REF**87.1 REF**88.3 ; REF**62.1 REF**63.3 ; REF**17.1 REF**18.3 ; REF**142.1 REF**143.3 ; REF**77.1 REF**78.3 ; REF**12.1 REF**13.3 ; REF**42.1 REF**43.3 ; REF**147.1 REF**148.3 ; REF**47.1 REF**48.3 ; REF**32.1 REF**33.3 ; REF**37.1 REF**38.3 ; REF**52.1 REF**53.3 ; REF**27.1 REF**28.3 ; REF**132.1 REF**133.3 ; REF**122.1 REF**123.3 ; REF**107.1 REF**108.3 ; REF**22.1 REF**23.3 ; REF**127.1 REF**128.3 ; REF**72.1 REF**73.3 ; REF**152.1 REF**153.3 ; REF**162.1 REF**163.3 ; REF**117.1 REF**118.3 ; REF**57.1 REF**58.3
P.Pos: length 93.1
  P.Trace.Layer.Cu.8 w0.25: REF**24.1 REF**23.1 ; REF**4.1 REF**3.1 ; REF**69.1 REF**68.1 ; REF**19.1 REF**18.1 ; REF**44.1 REF**43.1 ; REF**54.1 REF**53.1 ; REF**154.1 REF**153.1 ; REF**134.1 REF**133.1 ; REF**49.1 REF**48.1 ; REF**39.1 REF**38.1 ; REF**114.1 REF**113.1 ; REF**79.1 REF**78.1 ; REF**94.1 REF**93.1 ; REF**144.1 REF**143.1 ; REF**149.1 REF**148.1 ; REF**119.1 REF**118.1 ; REF**29.1 REF**28.1 ; REF**109.1 REF**108.1 ; REF**164.1 REF**163.1 ; REF**#11.1 REF**.1 ; REF**14.1 REF**13.1 ; REF**34.1 REF**33.1 ; REF**99.1 REF**98.1 ; REF**74.1 REF**73.1 ; REF**64.1 REF**63.1 ; REF**9.1 REF**8.1 ; REF**104.1 REF**103.1 ; REF**89.1 REF**88.1 ; REF**139.1 REF**138.1 ; REF**59.1 REF**58.1 ; REF**129.1 REF**128.1 ; REF**124.1 REF**123.1
Signal.Ground: length 3.9
  In.Out.Trace.Layer.Cu.2 w0.2: v2(175.84,132.64) v2(179,135)
  vias: v2(1,135) v2(1,116) v2(1,90) v2(1,76) v2(1,50) v2(1,5) v2(4.16,132.64) v2(4.16,7.36) v2(5,139) v2(5,1) v2(10.56,132.64) v2(10.56,7.36) v2(45,139) v2(55,149) v2(86.8,63) v2(93.2,63) v2(125,149) v2(135,139) v2(169.44,132.64) v2(169.44,7.36) v2(175,139) v2(175,1) v2(175.84,7.36) v2(179,116) v2(179,90) v2(179,76) v2(179,50) v2(179,5)

## Copper pours and planes (outline as drawn; the poured copper is in the pictures)
Power.Ground on P.Ground.Layer.Cu.7: 130,144.78 130.04,144.35 130.12,143.92 130.23,143.5 130.38,143.09 130.56,142.69 130.78,142.31 131.03,141.95 131.31,141.62 131.62,141.31 131.95,141.03 132.31,140.78 132.69,140.56 133.09,140.38 133.5,140.23 133.92,140.12 134.35,140.04 134.78,140 135,140 175,140 175.22,140 175.65,139.96 176.08,139.88 176.5,139.77 176.91,139.62 177.31,139.44 177.69,139.22 178.05,138.97 178.38,138.69 178.69,138.38 178.97,138.05 179.22,137.69 179.44,137.31 179.62,136.91 179.77,136.5 179.88,136.08 179.96,135.65 180,135.22 180,135 180,5 180,4.78 179.96,4.35 179.88,3.92 179.77,3.5 179.62,3.09 179.44,2.69 179.22,2.31 178.97,1.95 178.69,1.62 178.38,1.31 178.05,1.03 177.69,0.78 177.31,0.56 176.91,0.38 176.5,0.23 176.08,0.12 175.65,0.04 175.22,0 175,0 5,0 4.78,0 4.35,0.04 3.92,0.12 3.5,0.23 3.09,0.38 2.69,0.56 2.31,0.78 1.95,1.03 1.62,1.31 1.31,1.62 1.03,1.95 0.78,2.31 0.56,2.69 0.38,3.09 0.23,3.5 0.12,3.92 0.04,4.35 0,4.78 0,5 0,135 0,135.22 0.04,135.65 0.12,136.08 0.23,136.5 0.38,136.91 0.56,137.31 0.78,137.69 1.03,138.05 1.31,138.38 1.62,138.69 1.95,138.97 2.31,139.22 2.69,139.44 3.09,139.62 3.5,139.77 3.92,139.88 4.35,139.96 4.78,140 5,140 45,140 45.22,140 45.65,140.04 46.08,140.12 46.5,140.23 46.91,140.38 47.31,140.56 47.69,140.78 48.05,141.03 48.38,141.31 48.69,141.62 48.97,141.95 49.22,142.31 49.44,142.69 49.62,143.09 49.77,143.5 49.88,143.92 49.96,144.35 50,144.78 50,145.22 50.04,145.65 50.12,146.08 50.23,146.5 50.38,146.91 50.56,147.31 50.78,147.69 51.03,148.05 51.31,148.38 51.62,148.69 51.95,148.97 52.31,149.22 52.69,149.44 53.09,149.62 53.5,149.77 53.92,149.88 54.35,149.96 54.78,150 55,150 125,150 125.22,150 125.65,149.96 126.08,149.88 126.5,149.77 126.91,149.62 127.31,149.44 127.69,149.22 128.05,148.97 128.38,148.69 128.69,148.38 128.97,148.05 129.22,147.69 129.44,147.31 129.62,146.91 129.77,146.5 129.88,146.08 129.96,145.65 130,145.22
Signal.Ground on S.Ground.Layer.Cu.1, S.Ground.Layer.Cu.3, S.Ground.Layer.Cu.4, S.Ground.Layer.Cu.6: 130,144.78 130.04,144.35 130.12,143.92 130.23,143.5 130.38,143.09 130.56,142.69 130.78,142.31 131.03,141.95 131.31,141.62 131.62,141.31 131.95,141.03 132.31,140.78 132.69,140.56 133.09,140.38 133.5,140.23 133.92,140.12 134.35,140.04 134.78,140 135,140 175,140 175.22,140 175.65,139.96 176.08,139.88 176.5,139.77 176.91,139.62 177.31,139.44 177.69,139.22 178.05,138.97 178.38,138.69 178.69,138.38 178.97,138.05 179.22,137.69 179.44,137.31 179.62,136.91 179.77,136.5 179.88,136.08 179.96,135.65 180,135.22 180,135 180,5 180,4.78 179.96,4.35 179.88,3.92 179.77,3.5 179.62,3.09 179.44,2.69 179.22,2.31 178.97,1.95 178.69,1.62 178.38,1.31 178.05,1.03 177.69,0.78 177.31,0.56 176.91,0.38 176.5,0.23 176.08,0.12 175.65,0.04 175.22,0 175,0 5,0 4.78,0 4.35,0.04 3.92,0.12 3.5,0.23 3.09,0.38 2.69,0.56 2.31,0.78 1.95,1.03 1.62,1.31 1.31,1.62 1.03,1.95 0.78,2.31 0.56,2.69 0.38,3.09 0.23,3.5 0.12,3.92 0.04,4.35 0,4.78 0,5 0,135 0,135.22 0.04,135.65 0.12,136.08 0.23,136.5 0.38,136.91 0.56,137.31 0.78,137.69 1.03,138.05 1.31,138.38 1.62,138.69 1.95,138.97 2.31,139.22 2.69,139.44 3.09,139.62 3.5,139.77 3.92,139.88 4.35,139.96 4.78,140 5,140 45,140 45.22,140 45.65,140.04 46.08,140.12 46.5,140.23 46.91,140.38 47.31,140.56 47.69,140.78 48.05,141.03 48.38,141.31 48.69,141.62 48.97,141.95 49.22,142.31 49.44,142.69 49.62,143.09 49.77,143.5 49.88,143.92 49.96,144.35 50,144.78 50,145.22 50.04,145.65 50.12,146.08 50.23,146.5 50.38,146.91 50.56,147.31 50.78,147.69 51.03,148.05 51.31,148.38 51.62,148.69 51.95,148.97 52.31,149.22 52.69,149.44 53.09,149.62 53.5,149.77 53.92,149.88 54.35,149.96 54.78,150 55,150 125,150 125.22,150 125.65,149.96 126.08,149.88 126.5,149.77 126.91,149.62 127.31,149.44 127.69,149.22 128.05,148.97 128.38,148.69 128.69,148.38 128.97,148.05 129.22,147.69 129.44,147.31 129.62,146.91 129.77,146.5 129.88,146.08 129.96,145.65 130,145.22
Signal.Ground on In.Out.Trace.Layer.Cu.2: 179,76 179,75.8 178.96,75.41 178.88,75.03 178.77,74.65 178.62,74.29 178.43,73.94 178.21,73.62 177.97,73.31 177.69,73.03 177.38,72.79 177.06,72.57 176.71,72.38 176.35,72.23 175.97,72.12 175.59,72.04 175.2,72 175,72 5,72 4.8,72 4.41,72.04 4.03,72.12 3.65,72.23 3.29,72.38 2.94,72.57 2.62,72.79 2.31,73.03 2.03,73.31 1.79,73.62 1.57,73.94 1.38,74.29 1.23,74.65 1.12,75.03 1.04,75.41 1,75.8 1,76 1,135 1,135.2 1.04,135.59 1.12,135.97 1.23,136.35 1.38,136.71 1.57,137.06 1.79,137.38 2.03,137.69 2.31,137.97 2.62,138.21 2.94,138.43 3.29,138.62 3.65,138.77 4.03,138.88 4.41,138.96 4.8,139 5,139 45,139 45.25,139 45.74,139.04 46.23,139.13 46.71,139.25 47.18,139.41 47.64,139.61 48.07,139.84 48.49,140.11 48.88,140.42 49.24,140.76 49.58,141.12 49.89,141.51 50.16,141.93 50.39,142.36 50.59,142.82 50.75,143.29 50.87,143.77 50.96,144.26 51,144.75 51,145.2 51.04,145.59 51.12,145.97 51.23,146.35 51.38,146.71 51.57,147.06 51.79,147.38 52.03,147.69 52.31,147.97 52.62,148.21 52.94,148.43 53.29,148.62 53.65,148.77 54.03,148.88 54.41,148.96 54.8,149 55,149 125,149 125.2,149 125.59,148.96 125.97,148.88 126.35,148.77 126.71,148.62 127.06,148.43 127.38,148.21 127.69,147.97 127.97,147.69 128.21,147.38 128.43,147.06 128.62,146.71 128.77,146.35 128.88,145.97 128.96,145.59 129,145.2 129,144.75 129.04,144.26 129.13,143.77 129.25,143.29 129.41,142.82 129.61,142.36 129.84,141.93 130.11,141.51 130.42,141.12 130.76,140.76 131.12,140.42 131.51,140.11 131.93,139.84 132.36,139.61 132.82,139.41 133.29,139.25 133.77,139.13 134.26,139.04 134.75,139 135,139 175,139 175.2,139 175.59,138.96 175.97,138.88 176.35,138.77 176.71,138.62 177.06,138.43 177.38,138.21 177.69,137.97 177.97,137.69 178.21,137.38 178.43,137.06 178.62,136.71 178.77,136.35 178.88,135.97 178.96,135.59 179,135.2 179,135
Signal.Ground on In.Out.Trace.Layer.Cu.2: 179,50 179,50.2 178.96,50.59 178.88,50.97 178.77,51.35 178.62,51.71 178.43,52.06 178.21,52.38 177.97,52.69 177.69,52.97 177.38,53.21 177.06,53.43 176.71,53.62 176.35,53.77 175.97,53.88 175.59,53.96 175.2,54 175,54 5,54 4.8,54 4.41,53.96 4.03,53.88 3.65,53.77 3.29,53.62 2.94,53.43 2.62,53.21 2.31,52.97 2.03,52.69 1.79,52.38 1.57,52.06 1.38,51.71 1.23,51.35 1.12,50.97 1.04,50.59 1,50.2 1,50 1,5 1,4.8 1.04,4.41 1.12,4.03 1.23,3.65 1.38,3.29 1.57,2.94 1.79,2.62 2.03,2.31 2.31,2.03 2.62,1.79 2.94,1.57 3.29,1.38 3.65,1.23 4.03,1.12 4.41,1.04 4.8,1 5,1 175,1 175.2,1 175.59,1.04 175.97,1.12 176.35,1.23 176.71,1.38 177.06,1.57 177.38,1.79 177.69,2.03 177.97,2.31 178.21,2.62 178.43,2.94 178.62,3.29 178.77,3.65 178.88,4.03 178.96,4.41 179,4.8 179,5
Signal.Ground on In.Out.Trace.Layer.Cu.5: 51,145.2 51.04,145.59 51.12,145.97 51.23,146.35 51.38,146.71 51.57,147.06 51.79,147.38 52.03,147.69 52.31,147.97 52.62,148.21 52.94,148.43 53.29,148.62 53.65,148.77 54.03,148.88 54.41,148.96 54.8,149 55,149 125,149 125.2,149 125.59,148.96 125.97,148.88 126.35,148.77 126.71,148.62 127.06,148.43 127.38,148.21 127.69,147.97 127.97,147.69 128.21,147.38 128.43,147.06 128.62,146.71 128.77,146.35 128.88,145.97 128.96,145.59 129,145.2 129,144.75 129.04,144.26 129.13,143.77 129.25,143.29 129.41,142.82 129.61,142.36 129.84,141.93 130.11,141.51 130.42,141.12 130.76,140.76 131.12,140.42 131.51,140.11 131.93,139.84 132.36,139.61 132.82,139.41 133.29,139.25 133.77,139.13 134.26,139.04 134.75,139 135,139 175,139 175.2,139 175.59,138.96 175.97,138.88 176.35,138.77 176.71,138.62 177.06,138.43 177.38,138.21 177.69,137.97 177.97,137.69 178.21,137.38 178.43,137.06 178.62,136.71 178.77,136.35 178.88,135.97 178.96,135.59 179,135.2 179,135 179,116 179,115.8 178.96,115.41 178.88,115.03 178.77,114.65 178.62,114.29 178.43,113.94 178.21,113.62 177.97,113.31 177.69,113.03 177.38,112.79 177.06,112.57 176.71,112.38 176.35,112.23 175.97,112.12 175.59,112.04 175.2,112 175,112 5,112 4.8,112 4.41,112.04 4.03,112.12 3.65,112.23 3.29,112.38 2.94,112.57 2.62,112.79 2.31,113.03 2.03,113.31 1.79,113.62 1.57,113.94 1.38,114.29 1.23,114.65 1.12,115.03 1.04,115.41 1,115.8 1,116 1,135 1,135.2 1.04,135.59 1.12,135.97 1.23,136.35 1.38,136.71 1.57,137.06 1.79,137.38 2.03,137.69 2.31,137.97 2.62,138.21 2.94,138.43 3.29,138.62 3.65,138.77 4.03,138.88 4.41,138.96 4.8,139 5,139 45,139 45.25,139 45.74,139.04 46.23,139.13 46.71,139.25 47.18,139.41 47.64,139.61 48.07,139.84 48.49,140.11 48.88,140.42 49.24,140.76 49.58,141.12 49.89,141.51 50.16,141.93 50.39,142.36 50.59,142.82 50.75,143.29 50.87,143.77 50.96,144.26 51,144.75
Signal.Ground on In.Out.Trace.Layer.Cu.5: 5,94 4.8,94 4.41,93.96 4.03,93.88 3.65,93.77 3.29,93.62 2.94,93.43 2.62,93.21 2.31,92.97 2.03,92.69 1.79,92.38 1.57,92.06 1.38,91.71 1.23,91.35 1.12,90.97 1.04,90.59 1,90.2 1,90 1,5 1,4.8 1.04,4.41 1.12,4.03 1.23,3.65 1.38,3.29 1.57,2.94 1.79,2.62 2.03,2.31 2.31,2.03 2.62,1.79 2.94,1.57 3.29,1.38 3.65,1.23 4.03,1.12 4.41,1.04 4.8,1 5,1 175,1 175.2,1 175.59,1.04 175.97,1.12 176.35,1.23 176.71,1.38 177.06,1.57 177.38,1.79 177.69,2.03 177.97,2.31 178.21,2.62 178.43,2.94 178.62,3.29 178.77,3.65 178.88,4.03 178.96,4.41 179,4.8 179,5 179,90 179,90.2 178.96,90.59 178.88,90.97 178.77,91.35 178.62,91.71 178.43,92.06 178.21,92.38 177.97,92.69 177.69,92.97 177.38,93.21 177.06,93.43 176.71,93.62 176.35,93.77 175.97,93.88 175.59,93.96 175.2,94 175,94

## Text on the board
F.Silkscreen: ::: Other ::: / ▪ Trace Impedance -- 48.268 Ohms / ▪ Trace Inductance -- 3.4541 nH/cm / ▪ Trace Capacitance -- 1.4826 pF/cm / ▪ Trace Signal Delay -- 71.5624 ps/cm / ▪ Via Impedance -- 49.263 Ohms | https://github.com/barajasalfredo13/32.Channel.Amp | ::: Copper///FR4 Stackup ::: / ■ S.GND -- 18 um / □ FR4 -- 0.254 mm / ■ S.Trace.1 -- 18 um / □ FR4 -- 0.254 mm / ■ S.GND -- 18 um / □ FR4 -- 0.5 mm / ■ S.GND -- 18 um / □ FR4 -- 0.254 mm / ■ S.Trace.2 -- 18 um / □ FR4 -- 0.254 mm / ■ S.GND -- 18 um / □ FR4 -- 0.5 mm / ■ P.GND -- 18 um / □ FR4 -- 0.254 mm / ■ P.Trace -- 18 um | August 2023 / 32 Channel Pixel Receiver Board / Alfredo Barajas Enriquez | 1 | 2 | ::: Board Details ::: | 3 | 4 | 5 | 6 | 7 | 8 | 9 | 10 | 11 | 12 | 13 | 14 | 15 | 16 | 17 | 18 | 19 | 20 | 21 | 22 | 23 | 24 | 25 | 26 | 27 | 28 | 29 | 30 | 31 | 32
